# KiCad board SparkFun_IM19_IMU_Breakout_panelized.kicad_pcb (continued)
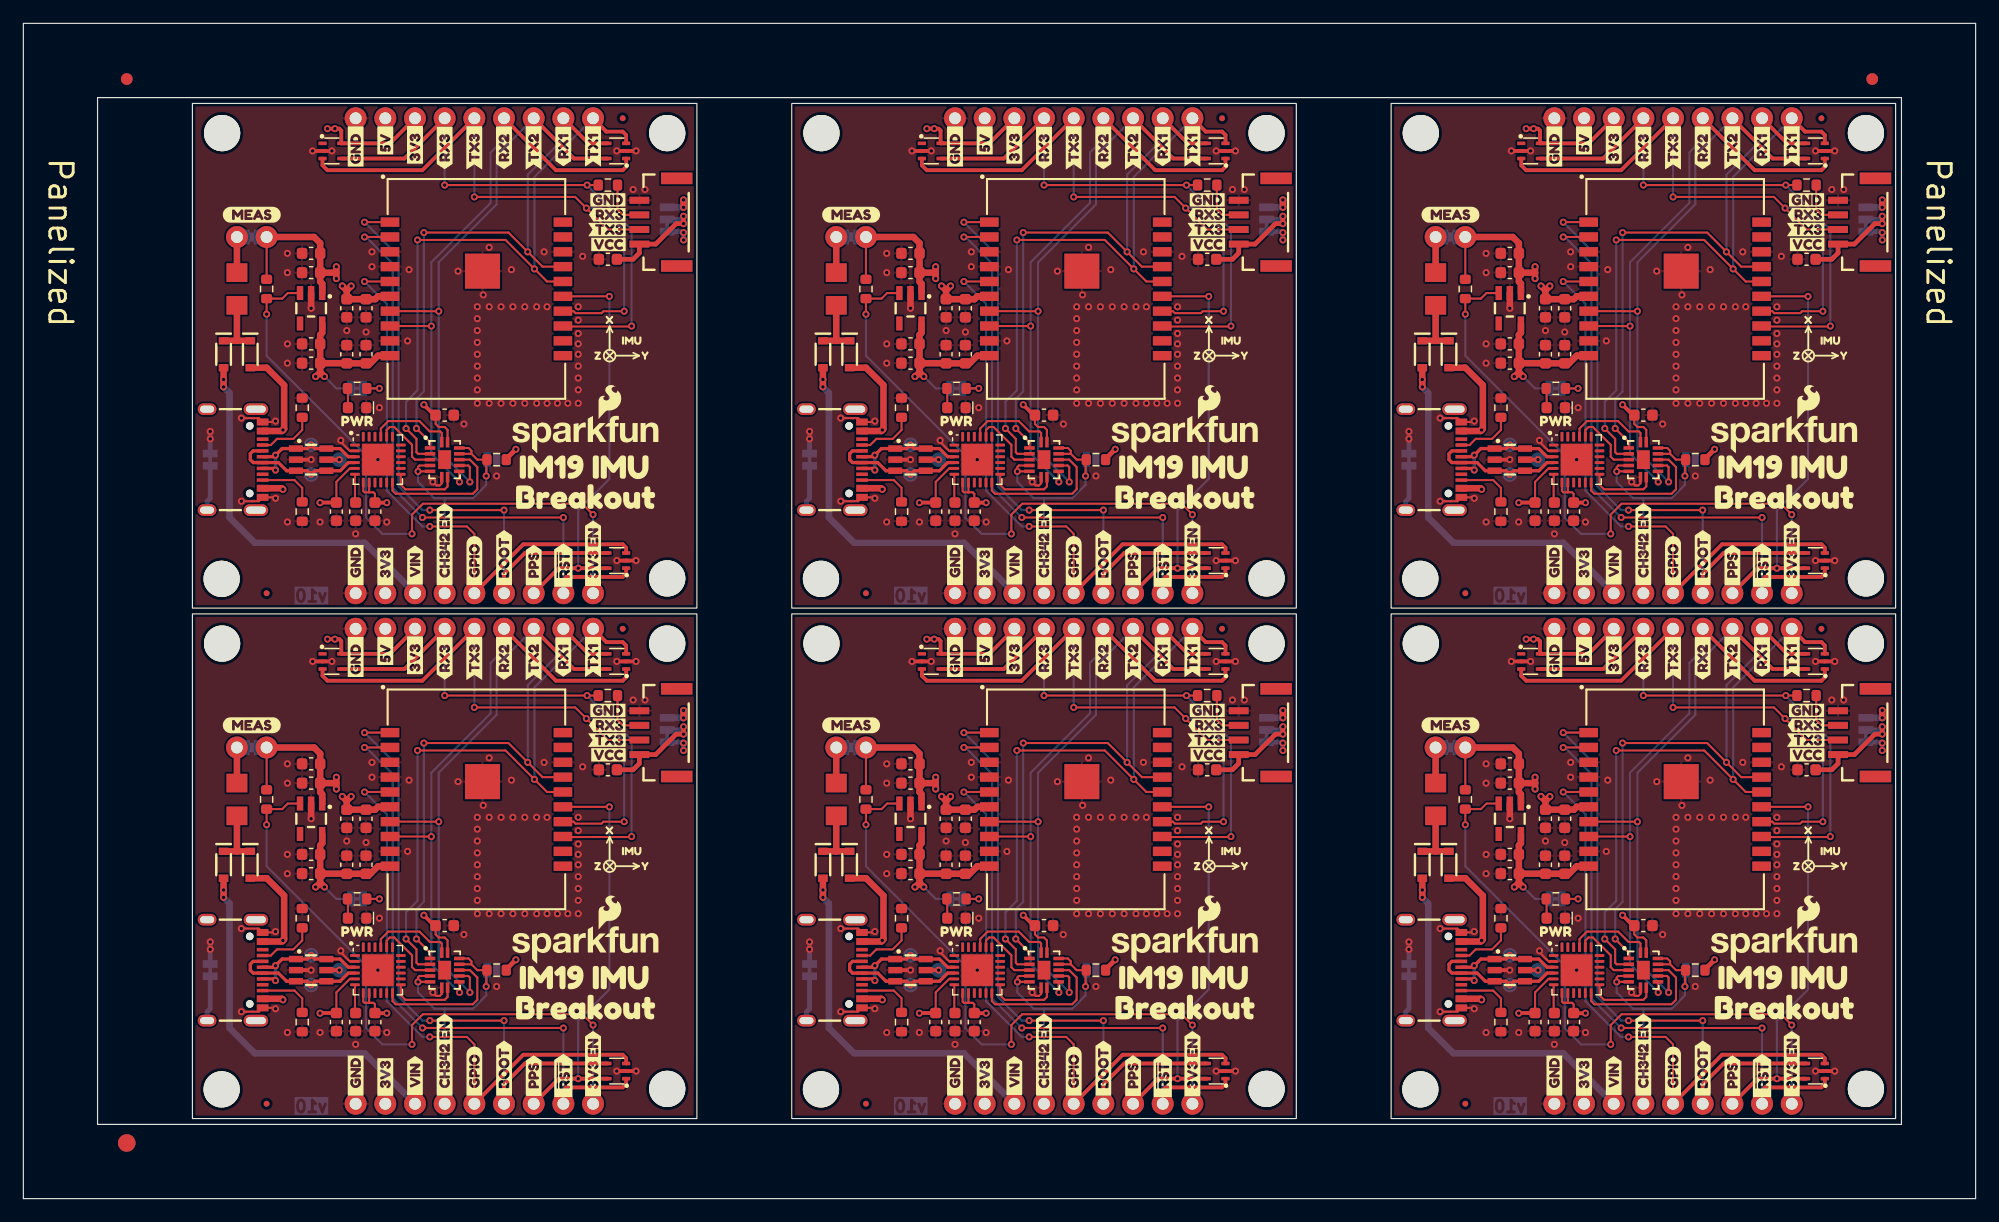
[diagram p0: board, top side]
## Placement (name value [footprint] x y rotation side) (continued)
kibuzzard-68F5D71D#11  G***  [kibuzzard-68F5D71D]  100.06 11.56 90 bottom
kibuzzard-68F5D71D#12  G***  [kibuzzard-68F5D71D]  151.36 55.24 90 bottom
kibuzzard-68F5D97A  G***  [kibuzzard-68F5D97A]  50.03 41.78 0 top
kibuzzard-68F5D97A#2  G***  [kibuzzard-68F5D97A]  50.03 85.46 0 top
kibuzzard-68F5D97A#3  G***  [kibuzzard-68F5D97A]  101.33 41.78 0 top
kibuzzard-68F5D97A#4  G***  [kibuzzard-68F5D97A]  152.63 85.46 0 top
kibuzzard-68F5D97A#5  G***  [kibuzzard-68F5D97A]  152.63 41.78 0 top
kibuzzard-68F5D97A#6  G***  [kibuzzard-68F5D97A]  101.33 85.46 0 top
kibuzzard-68F5D651  G***  [kibuzzard-68F5D651]  30.98 54.09 90 top
kibuzzard-68F5D651#2  G***  [kibuzzard-68F5D651]  30.98 10.41 90 top
kibuzzard-68F5D651#3  G***  [kibuzzard-68F5D651]  82.28 10.41 90 top
kibuzzard-68F5D651#4  G***  [kibuzzard-68F5D651]  82.28 54.09 90 top
kibuzzard-68F5D651#5  G***  [kibuzzard-68F5D651]  133.58 10.41 90 top
kibuzzard-68F5D651#6  G***  [kibuzzard-68F5D651]  133.58 54.09 90 top
kibuzzard-68F5D651#7  G***  [kibuzzard-68F5D651]  30.98 10.41 90 bottom
kibuzzard-68F5D651#8  G***  [kibuzzard-68F5D651]  30.98 54.09 90 bottom
kibuzzard-68F5D651#9  G***  [kibuzzard-68F5D651]  133.58 10.41 90 bottom
kibuzzard-68F5D651#10  G***  [kibuzzard-68F5D651]  82.28 10.41 90 bottom
kibuzzard-68F5D651#11  G***  [kibuzzard-68F5D651]  82.28 54.09 90 bottom
kibuzzard-68F5D651#12  G***  [kibuzzard-68F5D651]  133.58 54.09 90 bottom
kibuzzard-68F5D664  G***  [kibuzzard-68F5D664]  33.52 10.53 90 top
kibuzzard-68F5D664#2  G***  [kibuzzard-68F5D664]  33.52 54.21 90 top
kibuzzard-68F5D664#3  G***  [kibuzzard-68F5D664]  84.82 10.53 90 top
kibuzzard-68F5D664#4  G***  [kibuzzard-68F5D664]  84.82 54.21 90 top
kibuzzard-68F5D664#5  G***  [kibuzzard-68F5D664]  136.12 54.21 90 top
kibuzzard-68F5D664#6  G***  [kibuzzard-68F5D664]  136.12 10.53 90 top
kibuzzard-68F5D664#7  G***  [kibuzzard-68F5D664]  33.52 10.51 90 bottom
kibuzzard-68F5D664#8  G***  [kibuzzard-68F5D664]  33.52 54.19 90 bottom
kibuzzard-68F5D664#9  G***  [kibuzzard-68F5D664]  136.12 54.19 90 bottom
kibuzzard-68F5D664#10  G***  [kibuzzard-68F5D664]  84.82 10.51 90 bottom
kibuzzard-68F5D664#11  G***  [kibuzzard-68F5D664]  84.82 54.19 90 bottom
kibuzzard-68F5D664#12  G***  [kibuzzard-68F5D664]  136.12 10.51 90 bottom
kibuzzard-68F5D677  G***  [kibuzzard-68F5D677]  36.06 56 90 top
kibuzzard-68F5D677#2  G***  [kibuzzard-68F5D677]  36.06 12.32 90 top
kibuzzard-68F5D677#3  G***  [kibuzzard-68F5D677]  87.36 12.32 90 top
kibuzzard-68F5D677#4  G***  [kibuzzard-68F5D677]  87.36 56 90 top
kibuzzard-68F5D677#5  G***  [kibuzzard-68F5D677]  138.66 12.32 90 top
kibuzzard-68F5D677#6  G***  [kibuzzard-68F5D677]  138.66 56 90 top
kibuzzard-68F5D677#7  G***  [kibuzzard-68F5D677]  36.06 12.32 90 bottom
kibuzzard-68F5D677#8  G***  [kibuzzard-68F5D677]  87.36 12.32 90 bottom
kibuzzard-68F5D677#9  G***  [kibuzzard-68F5D677]  138.66 12.32 90 bottom
kibuzzard-68F5D677#10  G***  [kibuzzard-68F5D677]  36.06 56 90 bottom
kibuzzard-68F5D677#11  G***  [kibuzzard-68F5D677]  87.36 56 90 bottom
kibuzzard-68F5D677#12  G***  [kibuzzard-68F5D677]  138.66 56 90 bottom
kibuzzard-68F5D706  G***  [kibuzzard-68F5D706]  46.22 10.53 90 top
kibuzzard-68F5D706#2  G***  [kibuzzard-68F5D706]  148.82 10.53 90 top
kibuzzard-68F5D706#3  G***  [kibuzzard-68F5D706]  97.52 54.21 90 top
kibuzzard-68F5D706#4  G***  [kibuzzard-68F5D706]  97.52 10.53 90 top
kibuzzard-68F5D706#5  G***  [kibuzzard-68F5D706]  148.82 54.21 90 top
kibuzzard-68F5D706#6  G***  [kibuzzard-68F5D706]  46.22 54.21 90 top
kibuzzard-68F5D706#7  G***  [kibuzzard-68F5D706]  46.22 10.53 90 bottom
kibuzzard-68F5D706#8  G***  [kibuzzard-68F5D706]  97.52 10.53 90 bottom
kibuzzard-68F5D706#9  G***  [kibuzzard-68F5D706]  97.52 54.21 90 bottom
kibuzzard-68F5D706#10  G***  [kibuzzard-68F5D706]  46.22 54.21 90 bottom
kibuzzard-68F5D706#11  G***  [kibuzzard-68F5D706]  148.82 54.21 90 bottom
kibuzzard-68F5D706#12  G***  [kibuzzard-68F5D706]  148.82 10.53 90 bottom
kibuzzard-68F5DA6F  G***  [kibuzzard-68F5DA6F]  28.44 46.35 90 top
kibuzzard-68F5DA6F#2  G***  [kibuzzard-68F5DA6F]  79.74 90.03 90 top
kibuzzard-68F5DA6F#3  G***  [kibuzzard-68F5DA6F]  28.44 90.03 90 top
kibuzzard-68F5DA6F#4  G***  [kibuzzard-68F5DA6F]  79.74 46.35 90 top
kibuzzard-68F5DA6F#5  G***  [kibuzzard-68F5DA6F]  131.04 46.35 90 top
kibuzzard-68F5DA6F#6  G***  [kibuzzard-68F5DA6F]  131.04 90.03 90 top
kibuzzard-68F5DA6F#7  G***  [kibuzzard-68F5DA6F]  28.44 46.35 90 bottom
kibuzzard-68F5DA6F#8  G***  [kibuzzard-68F5DA6F]  28.44 90.03 90 bottom
kibuzzard-68F5DA6F#9  G***  [kibuzzard-68F5DA6F]  131.04 90.03 90 bottom
kibuzzard-68F5DA6F#10  G***  [kibuzzard-68F5DA6F]  79.74 46.35 90 bottom
kibuzzard-68F5DA6F#11  G***  [kibuzzard-68F5DA6F]  79.74 90.03 90 bottom
kibuzzard-68F5DA6F#12  G***  [kibuzzard-68F5DA6F]  131.04 46.35 90 bottom
kibuzzard-68F5DABB  G***  [kibuzzard-68F5DABB]  30.98 46.86 90 top
kibuzzard-68F5DABB#2  G***  [kibuzzard-68F5DABB]  133.58 90.54 90 top
kibuzzard-68F5DABB#3  G***  [kibuzzard-68F5DABB]  82.28 46.86 90 top
kibuzzard-68F5DABB#4  G***  [kibuzzard-68F5DABB]  82.28 90.54 90 top
kibuzzard-68F5DABB#5  G***  [kibuzzard-68F5DABB]  30.98 90.54 90 top
kibuzzard-68F5DABB#6  G***  [kibuzzard-68F5DABB]  133.58 46.86 90 top
kibuzzard-68F5DABB#7  G***  [kibuzzard-68F5DABB]  30.98 46.86 90 bottom
kibuzzard-68F5DABB#8  G***  [kibuzzard-68F5DABB]  30.98 90.54 90 bottom
kibuzzard-68F5DABB#9  G***  [kibuzzard-68F5DABB]  133.58 46.86 90 bottom
kibuzzard-68F5DABB#10  G***  [kibuzzard-68F5DABB]  82.28 90.54 90 bottom
kibuzzard-68F5DABB#11  G***  [kibuzzard-68F5DABB]  133.58 90.54 90 bottom
kibuzzard-68F5DABB#12  G***  [kibuzzard-68F5DABB]  82.28 46.86 90 bottom
kibuzzard-68F5DAD8  G***  [kibuzzard-68F5DAD8]  33.52 46.48 90 top
kibuzzard-68F5DAD8#2  G***  [kibuzzard-68F5DAD8]  84.82 90.16 90 top
kibuzzard-68F5DAD8#3  G***  [kibuzzard-68F5DAD8]  33.52 90.16 90 top
kibuzzard-68F5DAD8#4  G***  [kibuzzard-68F5DAD8]  84.82 46.48 90 top
kibuzzard-68F5DAD8#5  G***  [kibuzzard-68F5DAD8]  136.12 46.48 90 top
kibuzzard-68F5DAD8#6  G***  [kibuzzard-68F5DAD8]  136.12 90.16 90 top
kibuzzard-68F5DAD8#7  G***  [kibuzzard-68F5DAD8]  33.52 46.48 90 bottom
kibuzzard-68F5DAD8#8  G***  [kibuzzard-68F5DAD8]  33.52 90.16 90 bottom
kibuzzard-68F5DAD8#9  G***  [kibuzzard-68F5DAD8]  84.82 90.16 90 bottom
kibuzzard-68F5DAD8#10  G***  [kibuzzard-68F5DAD8]  136.12 90.16 90 bottom
kibuzzard-68F5DAD8#11  G***  [kibuzzard-68F5DAD8]  136.12 46.48 90 bottom
kibuzzard-68F5DAD8#12  G***  [kibuzzard-68F5DAD8]  84.82 46.48 90 bottom
kibuzzard-68F5DB0E  G***  [kibuzzard-68F5DB0E]  36.06 46.22 90 top
kibuzzard-68F5DB0E#2  G***  [kibuzzard-68F5DB0E]  138.66 46.22 90 top
kibuzzard-68F5DB0E#3  G***  [kibuzzard-68F5DB0E]  87.36 46.22 90 top
kibuzzard-68F5DB0E#4  G***  [kibuzzard-68F5DB0E]  87.36 89.9 90 top
kibuzzard-68F5DB0E#5  G***  [kibuzzard-68F5DB0E]  36.06 89.9 90 top
kibuzzard-68F5DB0E#6  G***  [kibuzzard-68F5DB0E]  138.66 89.9 90 top
kibuzzard-68F5DB0E#7  G***  [kibuzzard-68F5DB0E]  36.05 46.22 90 bottom
kibuzzard-68F5DB0E#8  G***  [kibuzzard-68F5DB0E]  87.35 46.22 90 bottom
kibuzzard-68F5DB0E#9  G***  [kibuzzard-68F5DB0E]  36.05 89.9 90 bottom
kibuzzard-68F5DB0E#10  G***  [kibuzzard-68F5DB0E]  87.35 89.9 90 bottom
kibuzzard-68F5DB0E#11  G***  [kibuzzard-68F5DB0E]  138.65 89.9 90 bottom
kibuzzard-68F5DB0E#12  G***  [kibuzzard-68F5DB0E]  138.65 46.22 90 bottom
kibuzzard-68F5DB1B  G***  [kibuzzard-68F5DB1B]  38.6 46.22 90 top
kibuzzard-68F5DB1B#2  G***  [kibuzzard-68F5DB1B]  38.6 89.9 90 top
kibuzzard-68F5DB1B#3  G***  [kibuzzard-68F5DB1B]  89.9 89.9 90 top
kibuzzard-68F5DB1B#4  G***  [kibuzzard-68F5DB1B]  141.2 46.22 90 top
kibuzzard-68F5DB1B#5  G***  [kibuzzard-68F5DB1B]  141.2 89.9 90 top
kibuzzard-68F5DB1B#6  G***  [kibuzzard-68F5DB1B]  89.9 46.22 90 top
kibuzzard-68F5DB2C  G***  [kibuzzard-68F5DB2C]  41.14 46.22 90 top
kibuzzard-68F5DB2C#2  G***  [kibuzzard-68F5DB2C]  92.44 46.22 90 top
kibuzzard-68F5DB2C#3  G***  [kibuzzard-68F5DB2C]  143.74 46.22 90 top
kibuzzard-68F5DB2C#4  G***  [kibuzzard-68F5DB2C]  92.44 89.9 90 top
kibuzzard-68F5DB2C#5  G***  [kibuzzard-68F5DB2C]  41.14 89.9 90 top
kibuzzard-68F5DB2C#6  G***  [kibuzzard-68F5DB2C]  143.74 89.9 90 top
kibuzzard-68F5DB2C#7  G***  [kibuzzard-68F5DB2C]  41.13 46.22 90 bottom
kibuzzard-68F5DB2C#8  G***  [kibuzzard-68F5DB2C]  92.43 46.22 90 bottom
kibuzzard-68F5DB2C#9  G***  [kibuzzard-68F5DB2C]  143.73 46.22 90 bottom
kibuzzard-68F5DB2C#10  G***  [kibuzzard-68F5DB2C]  41.13 89.9 90 bottom
kibuzzard-68F5DB2C#11  G***  [kibuzzard-68F5DB2C]  92.43 89.9 90 bottom
kibuzzard-68F5DB2C#12  G***  [kibuzzard-68F5DB2C]  143.73 89.9 90 bottom
kibuzzard-68F5DB3E  G***  [kibuzzard-68F5DB3E]  43.67 46.22 90 top
kibuzzard-68F5DB3E#2  G***  [kibuzzard-68F5DB3E]  94.97 46.22 90 top
kibuzzard-68F5DB3E#3  G***  [kibuzzard-68F5DB3E]  43.67 89.9 90 top
kibuzzard-68F5DB3E#4  G***  [kibuzzard-68F5DB3E]  146.27 89.9 90 top
kibuzzard-68F5DB3E#5  G***  [kibuzzard-68F5DB3E]  146.27 46.22 90 top
kibuzzard-68F5DB3E#6  G***  [kibuzzard-68F5DB3E]  94.97 89.9 90 top
kibuzzard-68F5DB3E#7  G***  [kibuzzard-68F5DB3E]  43.67 46.22 90 bottom
kibuzzard-68F5DB3E#8  G***  [kibuzzard-68F5DB3E]  43.67 89.9 90 bottom
kibuzzard-68F5DB3E#9  G***  [kibuzzard-68F5DB3E]  94.97 89.9 90 bottom
kibuzzard-68F5DB3E#10  G***  [kibuzzard-68F5DB3E]  146.27 46.22 90 bottom
kibuzzard-68F5DB3E#11  G***  [kibuzzard-68F5DB3E]  94.97 46.22 90 bottom
kibuzzard-68F5DB3E#12  G***  [kibuzzard-68F5DB3E]  146.27 89.9 90 bottom
kibuzzard-68F5DB51  G***  [kibuzzard-68F5DB51]  46.21 46.35 90 top
kibuzzard-68F5DB51#2  G***  [kibuzzard-68F5DB51]  46.21 90.03 90 top
kibuzzard-68F5DB51#3  G***  [kibuzzard-68F5DB51]  97.51 90.03 90 top
kibuzzard-68F5DB51#4  G***  [kibuzzard-68F5DB51]  97.51 46.35 90 top
kibuzzard-68F5DB51#5  G***  [kibuzzard-68F5DB51]  148.81 46.35 90 top
kibuzzard-68F5DB51#6  G***  [kibuzzard-68F5DB51]  148.81 90.03 90 top
kibuzzard-68F5DB51#7  G***  [kibuzzard-68F5DB51]  46.22 46.35 90 bottom
kibuzzard-68F5DB51#8  G***  [kibuzzard-68F5DB51]  97.52 90.03 90 bottom
kibuzzard-68F5DB51#9  G***  [kibuzzard-68F5DB51]  97.52 46.35 90 bottom
kibuzzard-68F5DB51#10  G***  [kibuzzard-68F5DB51]  148.82 46.35 90 bottom
kibuzzard-68F5DB51#11  G***  [kibuzzard-68F5DB51]  46.22 90.03 90 bottom
kibuzzard-68F5DB51#12  G***  [kibuzzard-68F5DB51]  148.82 90.03 90 bottom
kibuzzard-68F5DB62  G***  [kibuzzard-68F5DB62]  48.76 46.35 90 top
kibuzzard-68F5DB62#2  G***  [kibuzzard-68F5DB62]  48.76 90.03 90 top
kibuzzard-68F5DB62#3  G***  [kibuzzard-68F5DB62]  100.06 90.03 90 top
kibuzzard-68F5DB62#4  G***  [kibuzzard-68F5DB62]  151.36 46.35 90 top
kibuzzard-68F5DB62#5  G***  [kibuzzard-68F5DB62]  100.06 46.35 90 top
kibuzzard-68F5DB62#6  G***  [kibuzzard-68F5DB62]  151.36 90.03 90 top
kibuzzard-68F5DB62#7  G***  [kibuzzard-68F5DB62]  48.76 46.35 90 bottom
kibuzzard-68F5DB62#8  G***  [kibuzzard-68F5DB62]  151.36 46.35 90 bottom
kibuzzard-68F5DB62#9  G***  [kibuzzard-68F5DB62]  100.06 46.35 90 bottom
kibuzzard-68F5DB62#10  G***  [kibuzzard-68F5DB62]  48.76 90.03 90 bottom
kibuzzard-68F5DB62#11  G***  [kibuzzard-68F5DB62]  100.06 90.03 90 bottom
kibuzzard-68F5DB62#12  G***  [kibuzzard-68F5DB62]  151.36 90.03 90 bottom
kibuzzard-68F5DDAB  G***  [kibuzzard-68F5DDAB]  17.77 19.55 90 bottom
kibuzzard-68F5DDAB#2  G***  [kibuzzard-68F5DDAB]  17.77 63.23 90 bottom
kibuzzard-68F5DDAB#3  G***  [kibuzzard-68F5DDAB]  120.37 63.23 90 bottom
kibuzzard-68F5DDAB#4  G***  [kibuzzard-68F5DDAB]  69.07 19.55 90 bottom
kibuzzard-68F5DDAB#5  G***  [kibuzzard-68F5DDAB]  120.37 19.55 90 bottom
kibuzzard-68F5DDAB#6  G***  [kibuzzard-68F5DDAB]  69.07 63.23 90 bottom
kibuzzard-68F5DDD0  G***  [kibuzzard-68F5DDD0]  24.63 22.22 180 bottom
kibuzzard-68F5DDD0#2  G***  [kibuzzard-68F5DDD0]  24.63 65.9 180 bottom
kibuzzard-68F5DDD0#3  G***  [kibuzzard-68F5DDD0]  75.93 65.9 180 bottom
kibuzzard-68F5DDD0#4  G***  [kibuzzard-68F5DDD0]  127.23 65.9 180 bottom
kibuzzard-68F5DDD0#5  G***  [kibuzzard-68F5DDD0]  127.23 22.22 180 bottom
kibuzzard-68F5DDD0#6  G***  [kibuzzard-68F5DDD0]  75.93 22.22 180 bottom
kibuzzard-68F5DDF5  G***  [kibuzzard-68F5DDF5]  24.63 16.89 180 bottom
kibuzzard-68F5DDF5#2  G***  [kibuzzard-68F5DDF5]  75.93 16.89 180 bottom
kibuzzard-68F5DDF5#3  G***  [kibuzzard-68F5DDF5]  24.63 60.57 180 bottom
kibuzzard-68F5DDF5#4  G***  [kibuzzard-68F5DDF5]  127.23 16.89 180 bottom
kibuzzard-68F5DDF5#5  G***  [kibuzzard-68F5DDF5]  75.93 60.57 180 bottom
kibuzzard-68F5DDF5#6  G***  [kibuzzard-68F5DDF5]  127.23 60.57 180 bottom
kibuzzard-68F5DE2E  G***  [kibuzzard-68F5DE2E]  35.68 19.55 180 bottom
kibuzzard-68F5DE2E#2  G***  [kibuzzard-68F5DE2E]  35.68 63.23 180 bottom
kibuzzard-68F5DE2E#3  G***  [kibuzzard-68F5DE2E]  138.28 19.55 180 bottom
kibuzzard-68F5DE2E#4  G***  [kibuzzard-68F5DE2E]  138.28 63.23 180 bottom
kibuzzard-68F5DE2E#5  G***  [kibuzzard-68F5DE2E]  86.98 19.55 180 bottom
kibuzzard-68F5DE2E#6  G***  [kibuzzard-68F5DE2E]  86.98 63.23 180 bottom
kibuzzard-68F5E0B5  G***  [kibuzzard-68F5E0B5]  48.12 16.38 0 top
kibuzzard-68F5E0B5#2  G***  [kibuzzard-68F5E0B5]  48.12 60.06 0 top
kibuzzard-68F5E0B5#3  G***  [kibuzzard-68F5E0B5]  150.72 60.06 0 top
kibuzzard-68F5E0B5#4  G***  [kibuzzard-68F5E0B5]  99.43 16.38 0 top
kibuzzard-68F5E0B5#5  G***  [kibuzzard-68F5E0B5]  99.43 60.06 0 top
kibuzzard-68F5E0B5#6  G***  [kibuzzard-68F5E0B5]  150.72 16.38 0 top
kibuzzard-68F5E0B5#7  G***  [kibuzzard-68F5E0B5]  36.02 34.54 180 bottom
kibuzzard-68F5E0B5#8  G***  [kibuzzard-68F5E0B5]  138.62 78.22 180 bottom
kibuzzard-68F5E0B5#9  G***  [kibuzzard-68F5E0B5]  138.62 34.54 180 bottom
kibuzzard-68F5E0B5#10  G***  [kibuzzard-68F5E0B5]  36.02 78.22 180 bottom
kibuzzard-68F5E0B5#11  G***  [kibuzzard-68F5E0B5]  87.32 34.54 180 bottom
kibuzzard-68F5E0B5#12  G***  [kibuzzard-68F5E0B5]  87.32 78.22 180 bottom
kibuzzard-68F5E8F0  G***  [kibuzzard-68F5E8F0]  38.59 46.22 90 bottom
kibuzzard-68F5E8F0#2  G***  [kibuzzard-68F5E8F0]  89.89 89.9 90 bottom
kibuzzard-68F5E8F0#3  G***  [kibuzzard-68F5E8F0]  38.59 89.9 90 bottom
kibuzzard-68F5E8F0#4  G***  [kibuzzard-68F5E8F0]  141.19 46.22 90 bottom
kibuzzard-68F5E8F0#5  G***  [kibuzzard-68F5E8F0]  89.89 46.22 90 bottom
kibuzzard-68F5E8F0#6  G***  [kibuzzard-68F5E8F0]  141.19 89.9 90 bottom
kibuzzard-68F5E8FA  G***  [kibuzzard-68F5E8FA]  28.57 22.85 0 top
kibuzzard-68F5E8FA#2  G***  [kibuzzard-68F5E8FA]  131.17 22.85 0 top
kibuzzard-68F5E8FA#3  G***  [kibuzzard-68F5E8FA]  131.17 66.53 0 top
kibuzzard-68F5E8FA#4  G***  [kibuzzard-68F5E8FA]  79.87 66.53 0 top
kibuzzard-68F5E8FA#5  G***  [kibuzzard-68F5E8FA]  79.87 22.85 0 top
kibuzzard-68F5E8FA#6  G***  [kibuzzard-68F5E8FA]  28.57 66.53 0 top
kibuzzard-68F5E9AB  G***  [kibuzzard-68F5E9AB]  52.32 40.12 180 bottom
kibuzzard-68F5E9AB#2  G***  [kibuzzard-68F5E9AB]  154.92 83.8 180 bottom
kibuzzard-68F5E9AB#3  G***  [kibuzzard-68F5E9AB]  52.32 83.8 180 bottom
kibuzzard-68F5E9AB#4  G***  [kibuzzard-68F5E9AB]  103.62 40.12 180 bottom
kibuzzard-68F5E9AB#5  G***  [kibuzzard-68F5E9AB]  103.62 83.8 180 bottom
kibuzzard-68F5E9AB#6  G***  [kibuzzard-68F5E9AB]  154.92 40.12 180 bottom
kibuzzard-68F5E9C6  G***  [kibuzzard-68F5E9C6]  55.11 42.54 180 bottom
kibuzzard-68F5E9C6#2  G***  [kibuzzard-68F5E9C6]  106.41 86.22 180 bottom
kibuzzard-68F5E9C6#3  G***  [kibuzzard-68F5E9C6]  55.11 86.22 180 bottom
kibuzzard-68F5E9C6#4  G***  [kibuzzard-68F5E9C6]  106.41 42.54 180 bottom
kibuzzard-68F5E9C6#5  G***  [kibuzzard-68F5E9C6]  157.71 86.22 180 bottom
kibuzzard-68F5E9C6#6  G***  [kibuzzard-68F5E9C6]  157.71 42.54 180 bottom
kibuzzard-68F5E9E3  G***  [kibuzzard-68F5E9E3]  55.11 37.58 180 bottom
kibuzzard-68F5E9E3#2  G***  [kibuzzard-68F5E9E3]  157.71 37.58 180 bottom
kibuzzard-68F5E9E3#3  G***  [kibuzzard-68F5E9E3]  157.71 81.26 180 bottom
kibuzzard-68F5E9E3#4  G***  [kibuzzard-68F5E9E3]  55.11 81.26 180 bottom
kibuzzard-68F5E9E3#5  G***  [kibuzzard-68F5E9E3]  106.41 37.58 180 bottom
kibuzzard-68F5E9E3#6  G***  [kibuzzard-68F5E9E3]  106.41 81.26 180 bottom
kibuzzard-68F5E094  G***  [kibuzzard-68F5E094]  48 18.92 0 top
kibuzzard-68F5E094#2  G***  [kibuzzard-68F5E094]  48 62.59 0 top
kibuzzard-68F5E094#3  G***  [kibuzzard-68F5E094]  150.6 18.92 0 top
kibuzzard-68F5E094#4  G***  [kibuzzard-68F5E094]  99.3 18.92 0 top
kibuzzard-68F5E094#5  G***  [kibuzzard-68F5E094]  99.3 62.59 0 top
kibuzzard-68F5E094#6  G***  [kibuzzard-68F5E094]  150.6 62.59 0 top
kibuzzard-68F5E094#7  G***  [kibuzzard-68F5E094]  36.15 37.08 180 bottom
kibuzzard-68F5E094#8  G***  [kibuzzard-68F5E094]  138.75 80.76 180 bottom
kibuzzard-68F5E094#9  G***  [kibuzzard-68F5E094]  36.15 80.76 180 bottom
kibuzzard-68F5E094#10  G***  [kibuzzard-68F5E094]  138.75 37.08 180 bottom
kibuzzard-68F5E094#11  G***  [kibuzzard-68F5E094]  87.45 37.08 180 bottom
kibuzzard-68F5E094#12  G***  [kibuzzard-68F5E094]  87.45 80.76 180 bottom
kibuzzard-68F5E982  G***  [kibuzzard-68F5E982]  25.52 25.65 180 bottom
kibuzzard-68F5E982#2  G***  [kibuzzard-68F5E982]  76.82 69.33 180 bottom
kibuzzard-68F5E982#3  G***  [kibuzzard-68F5E982]  128.12 25.65 180 bottom
kibuzzard-68F5E982#4  G***  [kibuzzard-68F5E982]  25.52 69.33 180 bottom
kibuzzard-68F5E982#5  G***  [kibuzzard-68F5E982]  76.82 25.65 180 bottom
kibuzzard-68F5E982#6  G***  [kibuzzard-68F5E982]  128.12 69.33 180 bottom
kibuzzard-68F5EA91  G***  [kibuzzard-68F5EA91]  19.55 40.5 0 top
kibuzzard-68F5EA91#2  G***  [kibuzzard-68F5EA91]  19.55 84.19 0 top
kibuzzard-68F5EA91#3  G***  [kibuzzard-68F5EA91]  122.15 40.5 0 top
kibuzzard-68F5EA91#4  G***  [kibuzzard-68F5EA91]  70.85 84.19 0 top
kibuzzard-68F5EA91#5  G***  [kibuzzard-68F5EA91]  70.85 40.5 0 top
kibuzzard-68F5EA91#6  G***  [kibuzzard-68F5EA91]  122.15 84.19 0 top
kibuzzard-68F5EA91#7  G***  [kibuzzard-68F5EA91]  19.55 40.5 180 bottom
kibuzzard-68F5EA91#8  G***  [kibuzzard-68F5EA91]  70.85 40.5 180 bottom
kibuzzard-68F5EA91#9  G***  [kibuzzard-68F5EA91]  19.55 84.19 180 bottom
kibuzzard-68F5EA91#10  G***  [kibuzzard-68F5EA91]  70.85 84.19 180 bottom
kibuzzard-68F5EA91#11  G***  [kibuzzard-68F5EA91]  122.15 40.5 180 bottom
kibuzzard-68F5EA91#12  G***  [kibuzzard-68F5EA91]  122.15 84.19 180 bottom
kibuzzard-68F5EC7C  G***  [kibuzzard-68F5EC7C]  36.44 26.92 180 bottom
kibuzzard-68F5EC7C#2  G***  [kibuzzard-68F5EC7C]  87.74 26.92 180 bottom
kibuzzard-68F5EC7C#3  G***  [kibuzzard-68F5EC7C]  139.04 70.6 180 bottom
kibuzzard-68F5EC7C#4  G***  [kibuzzard-68F5EC7C]  36.44 70.6 180 bottom
kibuzzard-68F5EC7C#5  G***  [kibuzzard-68F5EC7C]  87.74 70.6 180 bottom
kibuzzard-68F5EC7C#6  G***  [kibuzzard-68F5EC7C]  139.04 26.92 180 bottom
kibuzzard-68F5ECB4  G***  [kibuzzard-68F5ECB4]  36.44 25.66 180 bottom
kibuzzard-68F5ECB4#2  G***  [kibuzzard-68F5ECB4]  36.44 69.34 180 bottom
kibuzzard-68F5ECB4#3  G***  [kibuzzard-68F5ECB4]  139.04 69.34 180 bottom
kibuzzard-68F5ECB4#4  G***  [kibuzzard-68F5ECB4]  87.74 25.66 180 bottom
kibuzzard-68F5ECB4#5  G***  [kibuzzard-68F5ECB4]  87.74 69.34 180 bottom
kibuzzard-68F5ECB4#6  G***  [kibuzzard-68F5ECB4]  139.04 25.66 180 bottom
kibuzzard-68F5ECF3  G***  [kibuzzard-68F5ECF3]  36.44 24.52 180 bottom
kibuzzard-68F5ECF3#2  G***  [kibuzzard-68F5ECF3]  87.74 24.52 180 bottom
kibuzzard-68F5ECF3#3  G***  [kibuzzard-68F5ECF3]  87.74 68.2 180 bottom
kibuzzard-68F5ECF3#4  G***  [kibuzzard-68F5ECF3]  36.44 68.2 180 bottom
kibuzzard-68F5ECF3#5  G***  [kibuzzard-68F5ECF3]  139.04 24.52 180 bottom
kibuzzard-68F5ECF3#6  G***  [kibuzzard-68F5ECF3]  139.04 68.2 180 bottom
kibuzzard-68F5EDC8  G***  [kibuzzard-68F5EDC8]  139.04 67.06 180 bottom
kibuzzard-68F5EDC8#2  G***  [kibuzzard-68F5EDC8]  36.44 23.38 180 bottom
kibuzzard-68F5EDC8#3  G***  [kibuzzard-68F5EDC8]  87.74 23.38 180 bottom
kibuzzard-68F5EDC8#4  G***  [kibuzzard-68F5EDC8]  87.74 67.06 180 bottom
kibuzzard-68F5EDC8#5  G***  [kibuzzard-68F5EDC8]  36.44 67.06 180 bottom
kibuzzard-68F5EDC8#6  G***  [kibuzzard-68F5EDC8]  139.04 23.38 180 bottom
kibuzzard-68F62121  G***  [kibuzzard-68F62121]  28.31 19.55 90 bottom
kibuzzard-68F62121#2  G***  [kibuzzard-68F62121]  28.31 63.23 90 bottom
kibuzzard-68F62121#3  G***  [kibuzzard-68F62121]  130.91 19.55 90 bottom
kibuzzard-68F62121#4  G***  [kibuzzard-68F62121]  79.61 19.55 90 bottom
kibuzzard-68F62121#5  G***  [kibuzzard-68F62121]  79.61 63.23 90 bottom
kibuzzard-68F62121#6  G***  [kibuzzard-68F62121]  130.91 63.23 90 bottom
NOREF  -  [Fiducial_1mm_Mask3mm]  8.85 95.8 0 top
NOREF#2  -  [Fiducial_1mm_Mask3mm]  158.25 95.8 0 top
NOREF#3  -  [Fiducial_1.5mm_Mask3mm]  8.85 4.76 0 top
NOREF#4  -  [Fiducial_1mm_Mask3mm]  8.85 95.8 180 bottom
NOREF#5  -  [Fiducial_1mm_Mask3mm]  158.25 95.8 180 bottom
NOREF#6  -  [Fiducial_1.5mm_Mask3mm]  8.85 4.76 180 bottom
PWR.1  PWR  [Jumper_2_NC_Trace]  28.55 25.65 180 bottom
PWR.1#2  PWR  [Jumper_2_NC_Trace]  28.55 69.33 180 bottom
PWR.1#3  PWR  [Jumper_2_NC_Trace]  79.85 25.65 180 bottom
PWR.1#4  PWR  [Jumper_2_NC_Trace]  79.85 69.33 180 bottom
PWR.1#5  PWR  [Jumper_2_NC_Trace]  131.15 25.65 180 bottom
PWR.1#6  PWR  [Jumper_2_NC_Trace]  131.15 69.33 180 bottom
R1  100k  [R_0603_1608Metric]  20.82 34.16 90 top
R1#2  100k  [R_0603_1608Metric]  72.12 77.84 90 top
R1#3  100k  [R_0603_1608Metric]  20.82 77.84 90 top
R1#4  100k  [R_0603_1608Metric]  72.12 34.16 90 top
R1#5  100k  [R_0603_1608Metric]  123.42 34.16 90 top
R1#6  100k  [R_0603_1608Metric]  123.42 77.84 90 top
R2  100k  [R_0603_1608Metric]  40.5 19.55 0 top
R2#2  100k  [R_0603_1608Metric]  143.11 63.23 0 top
R2#3  100k  [R_0603_1608Metric]  40.5 63.23 0 top
R2#4  100k  [R_0603_1608Metric]  143.11 19.55 0 top
R2#5  100k  [R_0603_1608Metric]  91.81 63.23 0 top
R2#6  100k  [R_0603_1608Metric]  91.81 19.55 0 top
R3  1k  [R_0603_1608Metric]  50.03 43.05 0 top
R3#2  1k  [R_0603_1608Metric]  50.03 86.72 0 top
R3#3  1k  [R_0603_1608Metric]  101.33 43.05 0 top
R3#4  1k  [R_0603_1608Metric]  152.63 43.05 0 top
R3#5  1k  [R_0603_1608Metric]  152.63 86.72 0 top
R3#6  1k  [R_0603_1608Metric]  101.33 86.72 0 top
R4  4.7k  [R_0603_1608Metric]  28.57 25.65 0 top
R4#2  4.7k  [R_0603_1608Metric]  28.57 69.33 0 top
R4#3  4.7k  [R_0603_1608Metric]  131.17 69.33 0 top
R4#4  4.7k  [R_0603_1608Metric]  79.87 25.65 0 top
R4#5  4.7k  [R_0603_1608Metric]  131.17 25.65 0 top
R4#6  4.7k  [R_0603_1608Metric]  79.87 69.33 0 top
R5  5.1k  [R_0603_1608Metric]  23.87 15.11 90 top
R5#2  5.1k  [R_0603_1608Metric]  126.47 15.11 90 top
R5#3  5.1k  [R_0603_1608Metric]  23.87 58.78 90 top
R5#4  5.1k  [R_0603_1608Metric]  75.17 58.78 90 top
R5#5  5.1k  [R_0603_1608Metric]  75.17 15.11 90 top
R5#6  5.1k  [R_0603_1608Metric]  126.47 58.78 90 top
R6  5.1k  [R_0603_1608Metric]  23.87 24 270 top
R6#2  5.1k  [R_0603_1608Metric]  23.87 67.68 270 top
R6#3  5.1k  [R_0603_1608Metric]  75.17 24 270 top
R6#4  5.1k  [R_0603_1608Metric]  75.17 67.68 270 top
R6#5  5.1k  [R_0603_1608Metric]  126.47 24 270 top
R6#6  5.1k  [R_0603_1608Metric]  126.47 67.68 270 top
Ref**  Val**  [OSHW_Logo_4mm]  22.73 10.69 180 bottom
Ref**#2  Val**  [OSHW_Logo_4mm]  22.73 54.37 180 bottom
Ref**#3  Val**  [OSHW_Logo_4mm]  125.33 10.69 180 bottom
Ref**#4  Val**  [OSHW_Logo_4mm]  74.03 10.69 180 bottom
Ref**#5  Val**  [OSHW_Logo_4mm]  74.03 54.37 180 bottom
Ref**#6  Val**  [OSHW_Logo_4mm]  125.33 54.37 180 bottom
SHLD1  ~  [Jumper_2_NC_Trace]  15.99 19.55 270 bottom
SHLD1#2  ~  [Jumper_2_NC_Trace]  67.29 63.23 270 bottom
SHLD1#3  ~  [Jumper_2_NC_Trace]  15.99 63.23 270 bottom
SHLD1#4  ~  [Jumper_2_NC_Trace]  67.29 19.55 270 bottom
SHLD1#5  ~  [Jumper_2_NC_Trace]  118.59 19.55 270 bottom
SHLD1#6  ~  [Jumper_2_NC_Trace]  118.59 63.23 270 bottom
ST1  -  [Standoff]  16.97 9.35 90 top
ST1#2  -  [Standoff]  16.97 53.03 90 top
ST1#3  -  [Standoff]  119.57 53.03 90 top
ST1#4  -  [Standoff]  68.27 53.03 90 top
ST1#5  -  [Standoff]  68.27 9.35 90 top
ST1#6  -  [Standoff]  119.57 9.35 90 top
ST2  -  [Standoff]  55.11 9.39 90 top
ST2#2  -  [Standoff]  55.11 53.07 90 top
ST2#3  -  [Standoff]  157.71 53.07 90 top
ST2#4  -  [Standoff]  157.71 9.39 90 top
ST2#5  -  [Standoff]  106.41 53.07 90 top
ST2#6  -  [Standoff]  106.41 9.39 90 top
ST3  -  [Standoff]  17.01 47.49 90 top
ST3#2  -  [Standoff]  119.61 47.49 90 top
ST3#3  -  [Standoff]  17.01 91.17 90 top
ST3#4  -  [Standoff]  68.31 47.49 90 top
ST3#5  -  [Standoff]  68.31 91.17 90 top
ST3#6  -  [Standoff]  119.61 91.17 90 top
ST4  -  [Standoff]  55.11 47.49 90 top
ST4#2  -  [Standoff]  157.71 91.17 90 top
ST4#3  -  [Standoff]  157.71 47.49 90 top
ST4#4  -  [Standoff]  55.11 91.17 90 top
ST4#5  -  [Standoff]  106.41 47.49 90 top
ST4#6  -  [Standoff]  106.41 91.17 90 top
TP1  1.25mm  [TestPoint-1.25mm]  24.63 20.82 180 bottom
TP1#2  1.25mm  [TestPoint-1.25mm]  75.93 20.82 180 bottom
TP1#3  1.25mm  [TestPoint-1.25mm]  24.63 64.5 180 bottom
TP1#4  1.25mm  [TestPoint-1.25mm]  127.23 20.82 180 bottom
TP1#5  1.25mm  [TestPoint-1.25mm]  75.93 64.5 180 bottom
TP1#6  1.25mm  [TestPoint-1.25mm]  127.23 64.5 180 bottom
TP2  1.25mm  [TestPoint-1.25mm]  24.63 18.28 180 bottom
TP2#2  1.25mm  [TestPoint-1.25mm]  75.93 61.96 180 bottom
TP2#3  1.25mm  [TestPoint-1.25mm]  24.63 61.96 180 bottom
TP2#4  1.25mm  [TestPoint-1.25mm]  75.93 18.28 180 bottom
TP2#5  1.25mm  [TestPoint-1.25mm]  127.23 61.96 180 bottom
TP2#6  1.25mm  [TestPoint-1.25mm]  127.23 18.28 180 bottom
TP3  1.25mm  [TestPoint-1.25mm]  27.04 19.55 180 bottom
TP3#2  1.25mm  [TestPoint-1.25mm]  78.34 19.55 180 bottom
TP3#3  1.25mm  [TestPoint-1.25mm]  27.04 63.23 180 bottom
TP3#4  1.25mm  [TestPoint-1.25mm]  129.64 19.55 180 bottom
TP3#5  1.25mm  [TestPoint-1.25mm]  78.34 63.23 180 bottom
TP3#6  1.25mm  [TestPoint-1.25mm]  129.64 63.23 180 bottom
U1  CH342F  [QFN-24-1EP_4x4mm_P0.5mm_EP2.7x2.7mm]  30.34 19.55 0 top
U1#2  CH342F  [QFN-24-1EP_4x4mm_P0.5mm_EP2.7x2.7mm]  30.34 63.23 0 top
U1#3  CH342F  [QFN-24-1EP_4x4mm_P0.5mm_EP2.7x2.7mm]  81.65 63.23 0 top
U1#4  CH342F  [QFN-24-1EP_4x4mm_P0.5mm_EP2.7x2.7mm]  81.65 19.55 0 top
U1#5  CH342F  [QFN-24-1EP_4x4mm_P0.5mm_EP2.7x2.7mm]  132.94 63.23 0 top
U1#6  CH342F  [QFN-24-1EP_4x4mm_P0.5mm_EP2.7x2.7mm]  132.94 19.55 0 top
U2  -  [IM19]  38.78 34.16 0 top
U2#2  -  [IM19]  141.38 77.84 0 top
U2#3  -  [IM19]  38.78 77.84 0 top
U2#4  -  [IM19]  90.08 34.16 0 top
U2#5  -  [IM19]  90.08 77.84 0 top
U2#6  -  [IM19]  141.38 34.16 0 top
U3  RT9080-3.3  [SOT23-5]  24.63 32.5 270 top
U3#2  RT9080-3.3  [SOT23-5]  24.63 76.18 270 top
U3#3  RT9080-3.3  [SOT23-5]  75.93 76.18 270 top
U3#4  RT9080-3.3  [SOT23-5]  127.23 32.5 270 top
U3#5  RT9080-3.3  [SOT23-5]  75.93 32.5 270 top
U3#6  RT9080-3.3  [SOT23-5]  127.23 76.18 270 top
U4  74HC4066BQ  [QFN-14_2.5x3mm_P0.5mm_EP1x1.5mm]  138.66 19.55 0 top
U4#2  74HC4066BQ  [QFN-14_2.5x3mm_P0.5mm_EP1x1.5mm]  36.06 19.55 0 top
U4#3  74HC4066BQ  [QFN-14_2.5x3mm_P0.5mm_EP1x1.5mm]  36.06 63.23 0 top
U4#4  74HC4066BQ  [QFN-14_2.5x3mm_P0.5mm_EP1x1.5mm]  87.36 19.55 0 top
U4#5  74HC4066BQ  [QFN-14_2.5x3mm_P0.5mm_EP1x1.5mm]  87.36 63.23 0 top
U4#6  74HC4066BQ  [QFN-14_2.5x3mm_P0.5mm_EP1x1.5mm]  138.66 63.23 0 top
VCC.1  VCC  [Jumper_3_NC-1_Trace]  55.11 40.1 90 bottom
VCC.1#2  VCC  [Jumper_3_NC-1_Trace]  55.11 83.78 90 bottom
VCC.1#3  VCC  [Jumper_3_NC-1_Trace]  106.41 83.78 90 bottom
VCC.1#4  VCC  [Jumper_3_NC-1_Trace]  157.71 83.78 90 bottom
VCC.1#5  VCC  [Jumper_3_NC-1_Trace]  106.41 40.1 90 bottom
VCC.1#6  VCC  [Jumper_3_NC-1_Trace]  157.71 40.1 90 bottom

## Library data of the parts
C1 C2 C8 C11 C12 = -: Datasheet: https://cdn.sparkfun.com/assets/8/a/4/a/5/Kemet_Capacitor_Datasheet.pdf; Description: Unpolarized capacitor; PROD_ID: CAP-20155; Voltage: 10V; Tolerance: 20%; ki_fp_filters: C_*
C1#2-C1#6 C2#2-C2#6 C8#2-C8#6 C11#2-C11#6 C12#2-C12#6 = -: Datasheet: https://cdn.sparkfun.com/assets/8/a/4/a/5/Kemet_Capacitor_Datasheet.pdf; Description: Unpolarized capacitor; PROD_ID: CAP-20155; Voltage: 10V; Tolerance: 20%
C3 C4#2 C7 = -: Datasheet: https://cdn.sparkfun.com/assets/8/a/4/a/5/Kemet_Capacitor_Datasheet.pdf; Description: Unpolarized capacitor; PROD_ID: CAP-00810; Voltage: 25V; Tolerance: 20%; ki_fp_filters: C_*
C3#2-C3#6 C4 C4#3-C4#6 C7#2-C7#6 = -: Datasheet: https://cdn.sparkfun.com/assets/8/a/4/a/5/Kemet_Capacitor_Datasheet.pdf; Description: Unpolarized capacitor; PROD_ID: CAP-00810; Voltage: 25V; Tolerance: 20%
C5 C6 C9 C10 C13 = -: Datasheet: https://cdn.sparkfun.com/assets/8/a/4/a/5/Kemet_Capacitor_Datasheet.pdf; Description: Unpolarized capacitor; PROD_ID: CAP-13930; Voltage: 16V; Tolerance: 10%; ki_fp_filters: C_*
C5#2-C5#6 C6#2-C6#6 C9#2-C9#6 C10#2-C10#6 C13#2-C13#6 = -: Datasheet: https://cdn.sparkfun.com/assets/8/a/4/a/5/Kemet_Capacitor_Datasheet.pdf; Description: Unpolarized capacitor; PROD_ID: CAP-13930; Voltage: 16V; Tolerance: 10%
CH342_EN.1 = -: Description: Solder Jumper, 2-pole, open; ki_fp_filters: SolderJumper*Open*
CH342_EN.1#2-CH342_EN.1#6 = -: Description: Solder Jumper, 2-pole, open
D1 D2 = -: Datasheet: https://www.infineon.com/dgdl/bat60aseries.pdf?folderId=db3a304313d846880113def5812204a1&fileId=db3a304313d846880113def70c9304a9; Description: Schottky diode; PROD_ID: DIO-14072; IMax: 3A; VDrop: 0.28V; VMax: 10V; ki_fp_filters: TO-???* *_Diode_* *SingleDiode* D_*
D1#2-D1#6 D2#2-D2#6 = -: Datasheet: https://www.infineon.com/dgdl/bat60aseries.pdf?folderId=db3a304313d846880113def5812204a1&fileId=db3a304313d846880113def70c9304a9; Description: Schottky diode; PROD_ID: DIO-14072; IMax: 3A; VDrop: 0.28V; VMax: 10V
D3 = -: Datasheet: https://www.kingbrightusa.com/images/catalog/SPEC/APT1608SURCK.pdf; Description: Light emitting diode; PROD_ID: DIO-17976; ki_fp_filters: LED* LED_SMD:* LED_THT:*
D3#2-D3#6 = -: Datasheet: https://www.kingbrightusa.com/images/catalog/SPEC/APT1608SURCK.pdf; Description: Light emitting diode; PROD_ID: DIO-17976
